# Altium PCB PCB.PcbDoc (part 1 of 4) (continued)
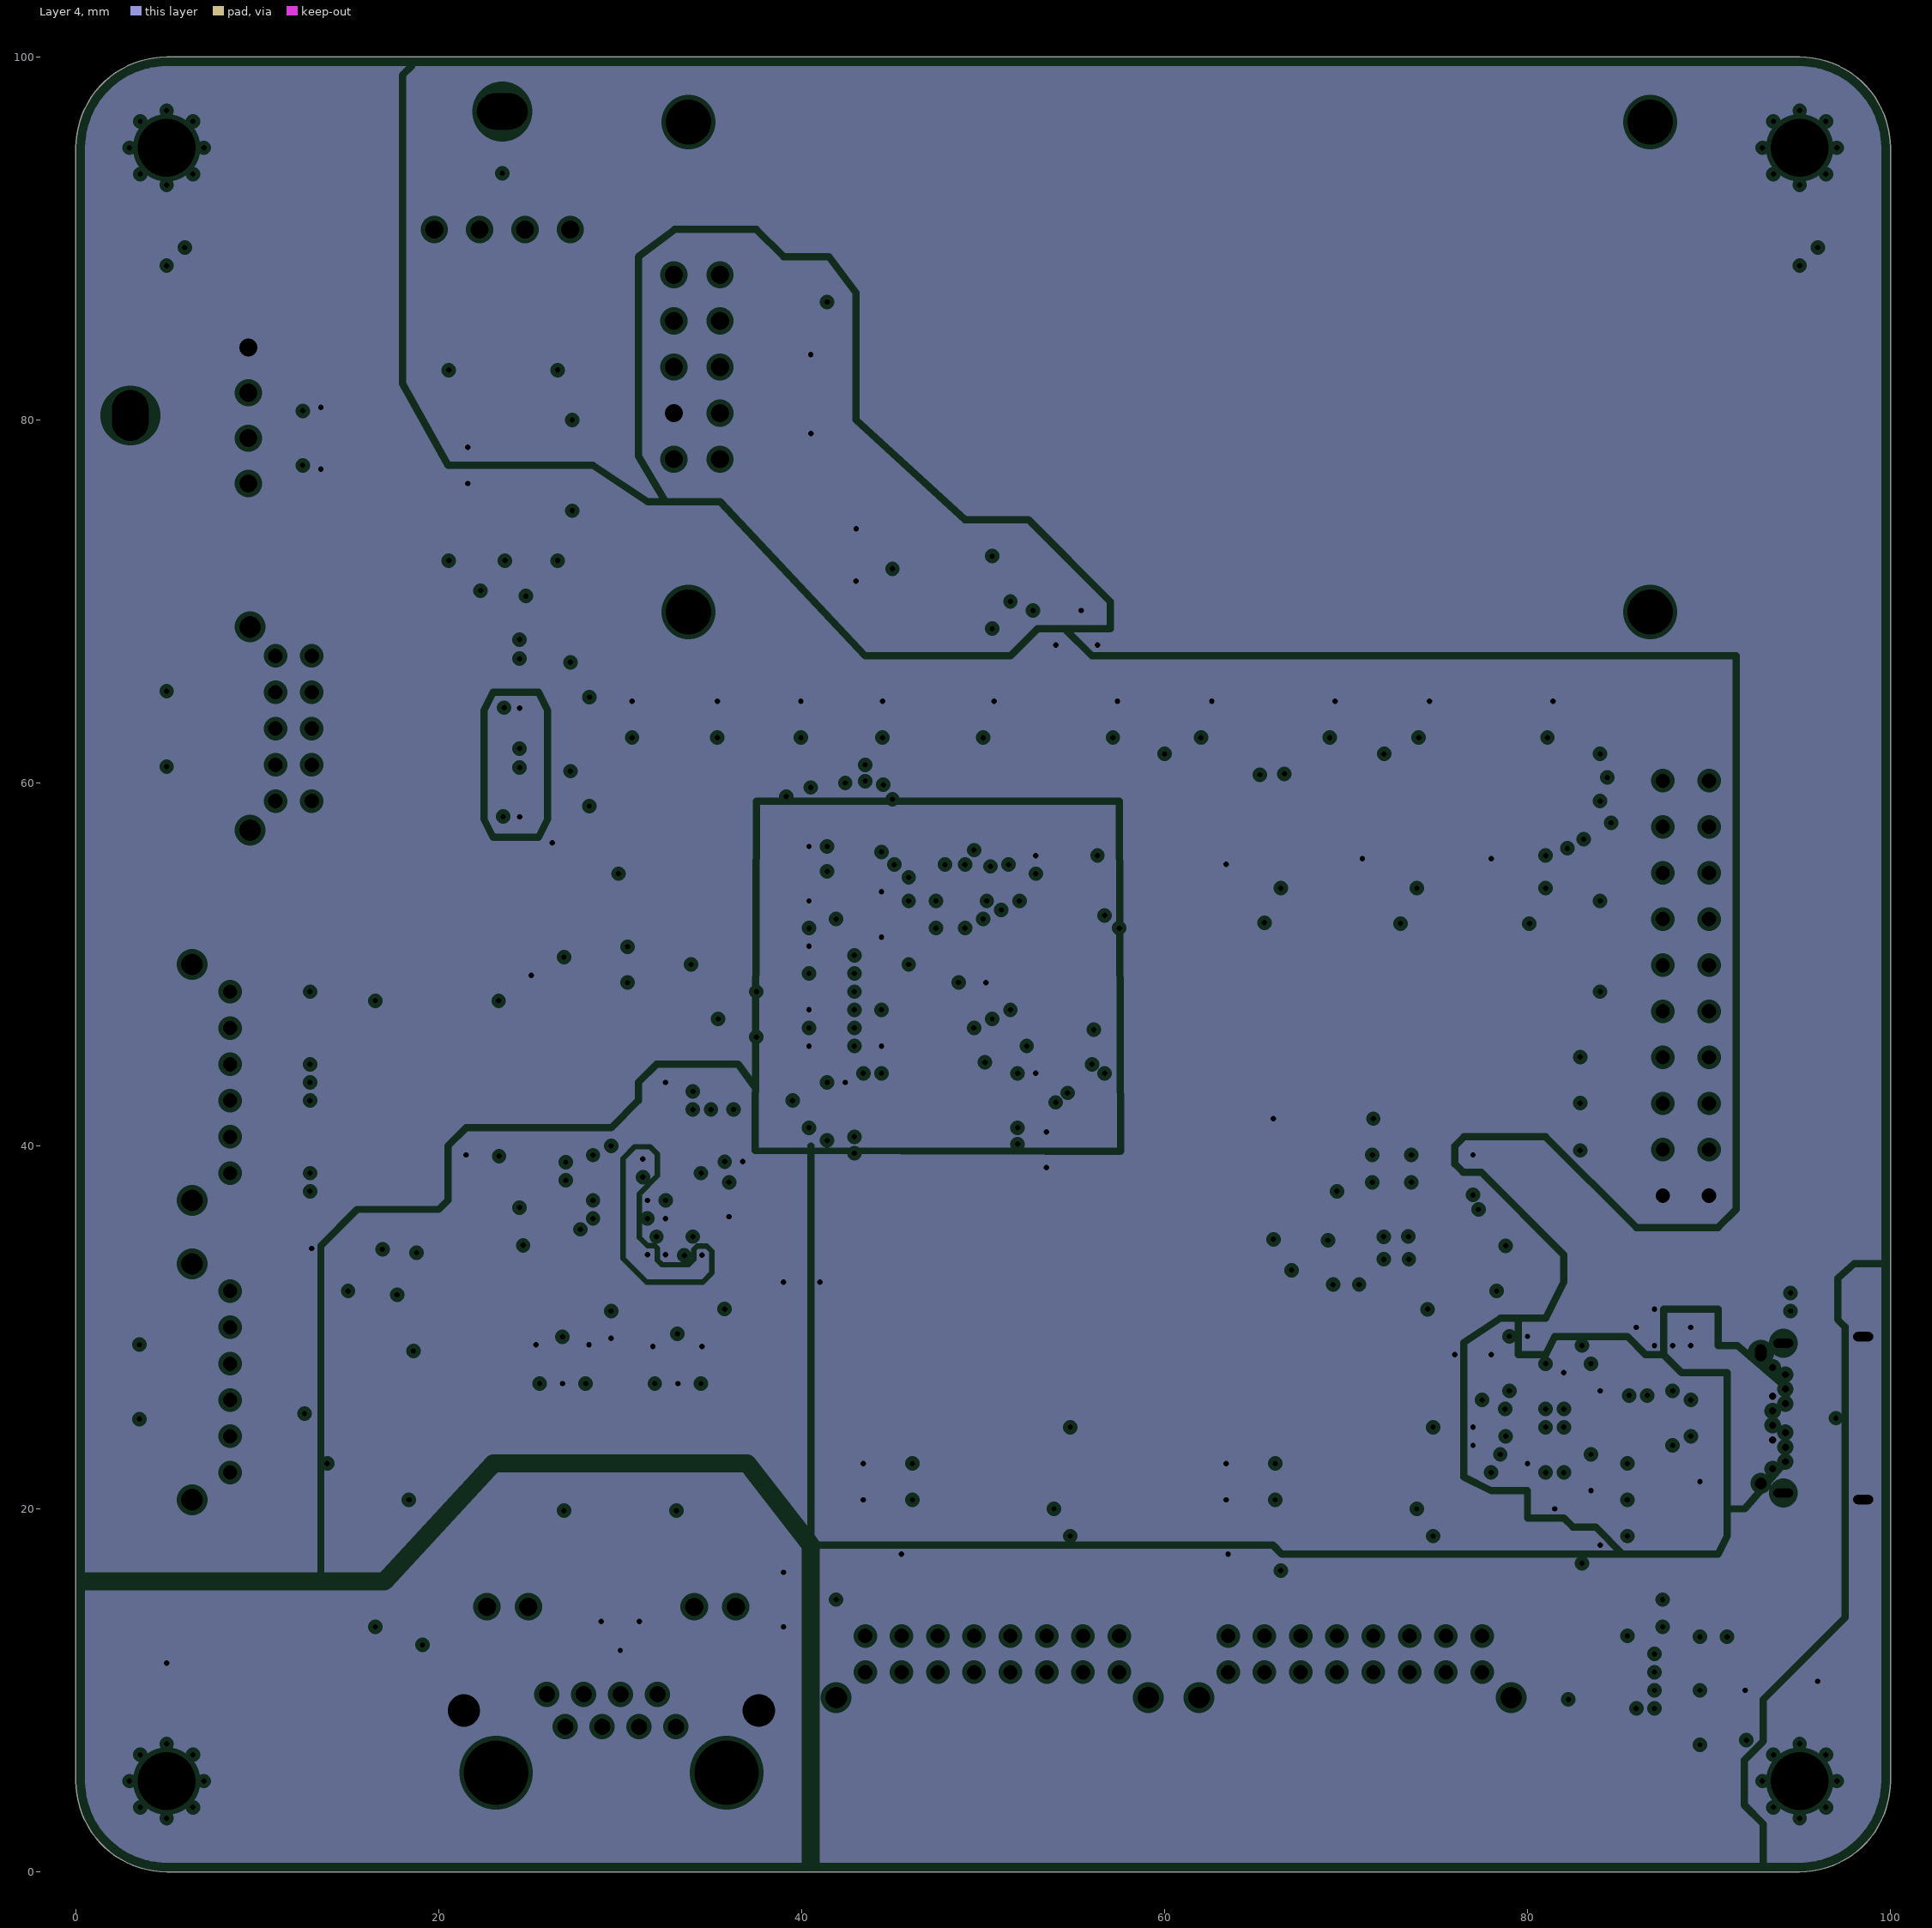
[diagram p4: Layer 4, clearances drawn from the general rule]
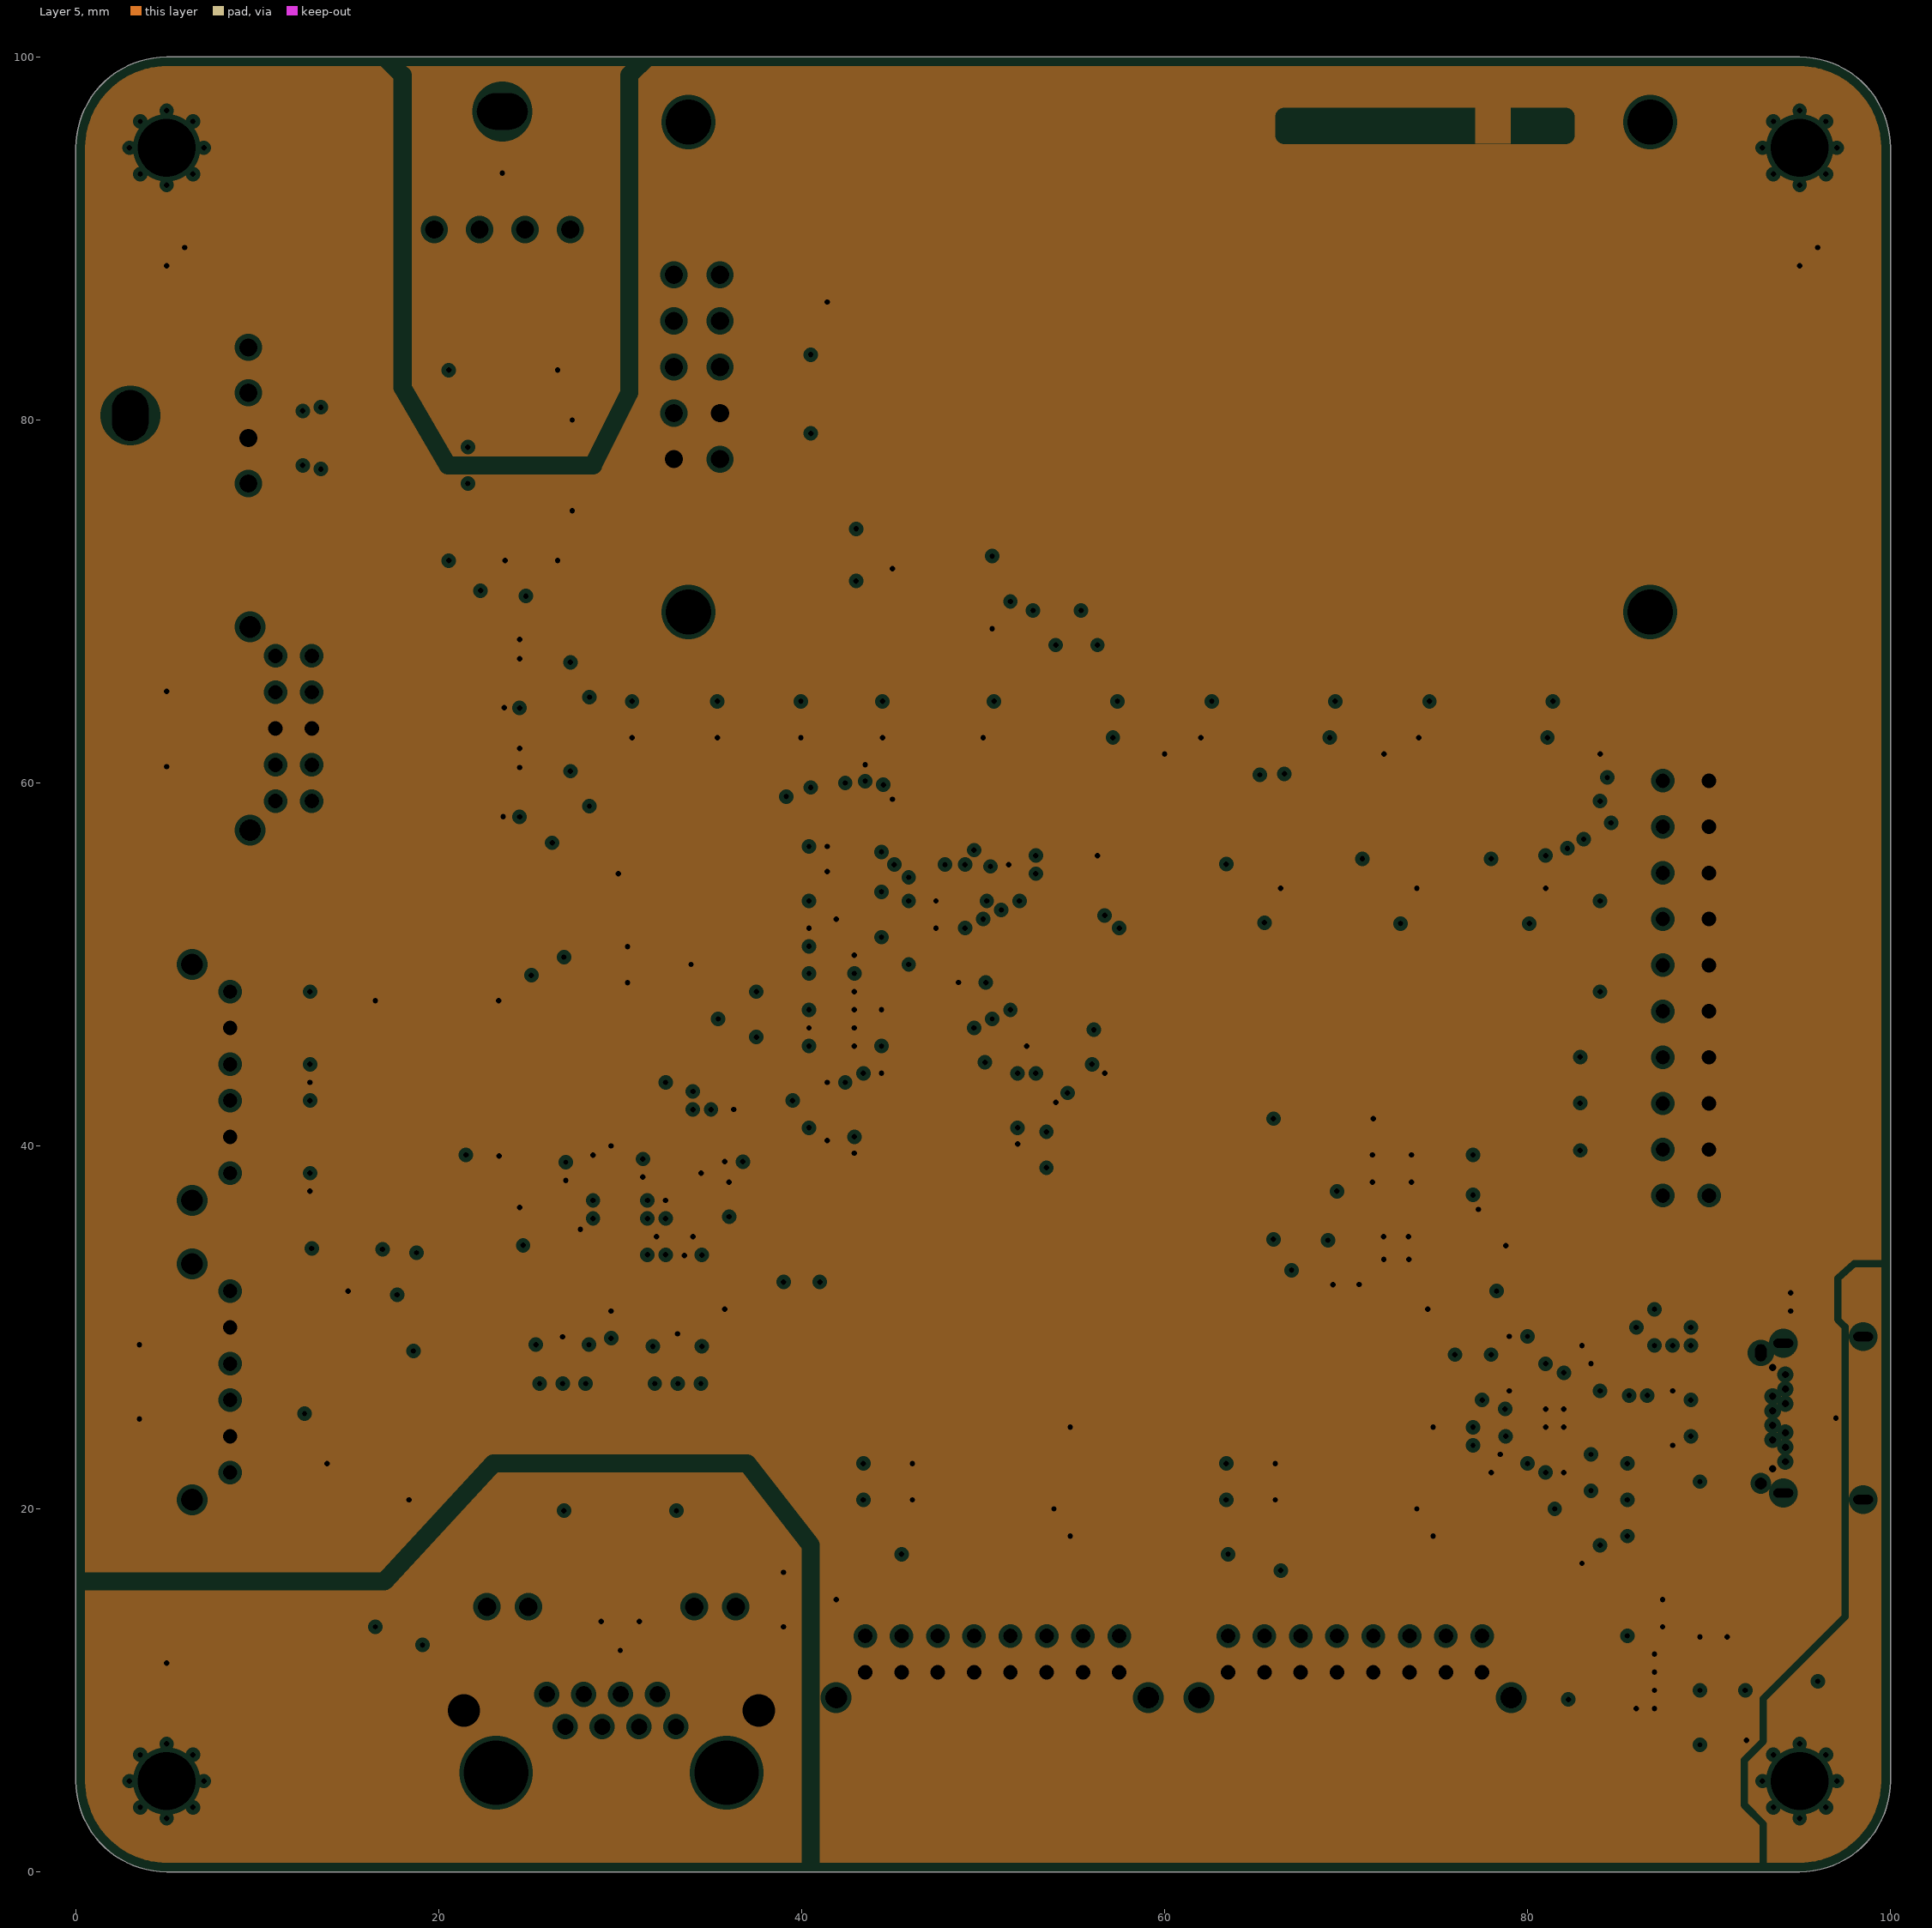
[diagram p5: Layer 5, clearances drawn from the general rule]

## Layer stack, top to bottom
Top Solder: solder mask 0.01, Solder Resist, Dk 3.5
Top Layer: signal copper 0.035
Dielectric 2: prepreg 0.0994, 3313*1, Dk 4.1
Layer 2: plane copper 0.0152, net (Multiple Nets)
Dielectric 4: core 0.55, Core, Dk 4.1
Layer 3: signal copper 0.0152
Dielectric 1: dielectric 0.1088, 2116*1, Dk 4.8
Layer 4: plane copper 0.0152, net (Multiple Nets)
Dielectric 5: core 0.55, Core, Dk 4.1
Layer 5: plane copper 0.0152, net (Multiple Nets)
Dielectric 3: prepreg 0.0994, 3313*1, Dk 4.1
Bottom Layer: signal copper 0.035
Bottom Solder: solder mask 0.01, Solder Resist, Dk 3.5

## Board outline
0,5 0,95 cw(c5,95) 5,100 95,100 cw(c95,95) 100,95 100,5 cw(c95,5) 95,0 5,0 cw(c5,5)

## Design rules (kind name [scope] priority, off if disabled: settings)
BoardOutlineClearance [Not OnLayer('Top Overlay')] p1: gap=0.3 ignorepadtopadclearanceinfootprint=FALSE
Clearance Clearance_1 [InNet('GND') vs (InNet('Gcan') or InNet('ChassisE') or InNet('ChassisU'))] p1: gap=0.2 ignorepadtopadclearanceinfootprint=FALSE except(0.127: SMDPad-SMDPad; 1: Poly-Poly)
Clearance [All] p2: gap=0.2 ignorepadtopadclearanceinfootprint=FALSE except(0.127: SMDPad-SMDPad)
DiffPairsRouting "USB 90 Ohm" [InDifferentialPairClass('USB_90')] p1: maxlimit=0.203 minlimit=0.203 mostfreqgap=0.203 toplayer_minwidth=0.158 toplayer_maxwidth=0.158 toplayer_prefwidth=0.158 midlayer1_minwidth=0.321 midlayer1_maxwidth=0.321 midlayer1_prefwidth=0.321 bottomlayer_minwidth=0.158 bottomlayer_maxwidth=0.158 bottomlayer_prefwidth=0.158 maxuncoupledlength=12.7
DiffPairsRouting "RS422 - CAN 90 Ohm" [InDifferentialPairClass('RS422_120') or InDifferentialPairClass('CAN_120')] p2: maxlimit=0.508 minlimit=0.508 mostfreqgap=0.508 toplayer_minwidth=0.096 toplayer_maxwidth=0.098 toplayer_prefwidth=0.097 midlayer1_minwidth=0.261 midlayer1_maxwidth=0.261 midlayer1_prefwidth=0.261 bottomlayer_minwidth=0.096 bottomlayer_maxwidth=0.098 bottomlayer_prefwidth=0.097 maxuncoupledlength=12.7
DiffPairsRouting "ETH 100 Ohm" [InDifferentialPairClass('ETH_100')] p3: maxlimit=0.508 minlimit=0.203 mostfreqgap=0.203 toplayer_minwidth=0.124 toplayer_maxwidth=0.124 toplayer_prefwidth=0.124 midlayer1_minwidth=0.232 midlayer1_maxwidth=0.232 midlayer1_prefwidth=0.232 bottomlayer_minwidth=0.124 bottomlayer_maxwidth=0.124 bottomlayer_prefwidth=0.124 maxuncoupledlength=12.7
HoleSize "Mounting Hole" [HasFootprint ('Mounting Hole - Hole-3.2mm, Pad-5mm')] p1: absolutevalues=TRUE maxlimit=5 minlimit=0.29 maxpercent=80.000 minpercent=20.000
HoleSize "USB Conn" [HasFootprint ('GCT, USB4056')] p2: absolutevalues=TRUE maxlimit=5 minlimit=0.39 maxpercent=80.000 minpercent=20.000
HoleSize NonViaHoleSize [Not IsVia] p3: absolutevalues=TRUE maxlimit=5 minlimit=0.5 maxpercent=80.000 minpercent=20.000
HoleSize ViaHoleSize [All] p4: absolutevalues=TRUE maxlimit=5 minlimit=0.3 maxpercent=80.000 minpercent=20.000
HoleToHoleClearance "Mounting Hole (Clearance)" [HasFootprint ('Mounting Hole - Hole-3.2mm, Pad-5mm') vs HasFootprint ('Mounting Hole - Hole-3.2mm, Pad-5mm')] p1: gap=0.29 allowstackedmicrovias=TRUE
HoleToHoleClearance "USB Conn (Clearance)" [HasFootprint ('GCT, USB4056') vs HasFootprint ('GCT, USB4056')] p2: gap=0.39 allowstackedmicrovias=TRUE
HoleToHoleClearance [All] p3: gap=0.5 allowstackedmicrovias=TRUE
MatchedLengths LM-ETH_P [InNetClass('ETH_P')] p1: tolerance=1 checknetsindiffpair=FALSE checkdiffpairvsdiffpair=TRUE checkxsignals=TRUE checkothers=TRUE
MatchedLengths LM-ETH_C [InNetClass('ETH_C')] p2: tolerance=1 checknetsindiffpair=FALSE checkdiffpairvsdiffpair=TRUE checkxsignals=TRUE checkothers=TRUE
MatchedLengths LM-ETH_P-DP [InNetClass('ETH_P')] p3: tolerance=1 checknetsindiffpair=TRUE checkdiffpairvsdiffpair=FALSE checkxsignals=FALSE checkothers=FALSE
MatchedLengths LM-ETH_C-DP [InNetClass('ETH_C')] p4: tolerance=1 checknetsindiffpair=TRUE checkdiffpairvsdiffpair=FALSE checkxsignals=FALSE checkothers=FALSE
MatchedLengths SPI-LM [InxSignalClass('xSPI')] p5: tolerance=1 checknetsindiffpair=FALSE checkdiffpairvsdiffpair=TRUE checkxsignals=TRUE checkothers=TRUE
MinimumAnnularRing [All] p1: minimumring=0.05
MinimumSolderMaskSliver "IC - Power - DC-DC" [HasFootprint ('DFN-8, 2mm x 2mm, 0,5mm') vs HasFootprint ('DFN-8, 2mm x 2mm, 0,5mm')] p1: minsoldermaskwidth=0.01
PlaneClearance [All] p1: clearance=0.25
PlaneConnect [All] p1: planeconnectstyle=Direct reliefexpansion=0.508 reliefentries=4 reliefconductorwidth=0.254 reliefairgap=0.254
PolygonConnect [All] p1: thpad.connectstyle=Relief thpad.reliefconductorwidth=0.254 thpad.reliefentries=4 thpad.polygonreliefangle="90 Angle" thpad.airgapwidth=0.25 smdpad.connectstyle=Relief smdpad.reliefconductorwidth=0.254 smdpad.reliefentries=4 smdpad.polygonreliefangle="90 Angle" smdpad.airgapwidth=0.25 via.connectstyle=Direct via.reliefconductorwidth=0.254 via.reliefentries=4 via.polygonreliefangle="90 Angle" via.airgapwidth=0.25
RoomDefinition Bt1 [InComponentClass('Bt1')] p1: confinementstyle=ConfineIn formatcopy=TRUE lockcomponents=FALSE outline 72.5,59 84.5,59 84.5,66.5 72.5,66.5
RoomDefinition Bt2 [InComponentClass('Bt2')] p2: confinementstyle=ConfineIn formatcopy=TRUE lockcomponents=FALSE outline 60.5,59 72.467,59 72.467,66.5 60.5,66.5
RoomDefinition Bt3 [InComponentClass('Bt3')] p3: confinementstyle=ConfineIn formatcopy=TRUE lockcomponents=FALSE outline 48.5,59 60.351,59 60.351,66.5 48.5,66.5
RoomDefinition Sw3 [InComponentClass('Sw3')] p4: confinementstyle=ConfineIn formatcopy=TRUE lockcomponents=FALSE outline 75.1,46.2 82,46.2 82,57.3 75.1,57.3
RoomDefinition Sw2 [InComponentClass('Sw2')] p5: confinementstyle=ConfineIn formatcopy=TRUE lockcomponents=FALSE outline 68,46.2 74.9,46.2 74.9,57.3 68,57.3
RoomDefinition LdY [InComponentClass('LdY')] p6: confinementstyle=ConfineIn formatcopy=TRUE lockcomponents=FALSE outline 34.35,62 37.35,62 37.35,65 34.35,65
RoomDefinition LdG [InComponentClass('LdG')] p7: confinementstyle=ConfineIn formatcopy=TRUE lockcomponents=FALSE outline 29.65,62 32.65,62 32.65,65 29.65,65
RoomDefinition LdO [InComponentClass('LdO')] p8: confinementstyle=ConfineIn formatcopy=TRUE lockcomponents=FALSE outline 38.95,62 41.95,62 41.95,65 38.95,65
RoomDefinition LdR [InComponentClass('LdR')] p9: confinementstyle=ConfineIn formatcopy=TRUE lockcomponents=FALSE outline 43.45,62 46.45,62 46.45,65 43.45,65
RoomDefinition Sw1 [InComponentClass('Sw1')] p10: confinementstyle=ConfineIn formatcopy=TRUE lockcomponents=FALSE outline 60.5,46.2 67.4,46.2 67.4,57.3 60.5,57.3
RoutingVias [All] p1: holewidth=0.711 width=1.27 viastyle="Through Hole" minholewidth=0.711 minwidth=1.27 maxholewidth=0.711 maxwidth=1.27
SilkToSilkClearance [All] p1: silktosilkclearance=0.05
SilkToSolderMaskClearance [IsPad And (Not HasFootprint('Resistor_SMD_M1005_I0402'))] p1: minsilkscreentomaskgap=0.15 clearancetoexposedcopper=TRUE
SolderMaskExpansion [All] p1: expansion=0.05 istentingtop=FALSE
SupplyNets "Schematic Supply Nets" [InNet('+3V3_FTDI')] p1: voltage=0.000
SupplyNets "Schematic Supply Nets_20" [InNet('+5V_AP')] p2: voltage=0.000
SupplyNets "Schematic Supply Nets_19" [InNet('+3V3_ETH')] p3: voltage=0.000
SupplyNets "Schematic Supply Nets_18" [InNet('+3V3_RT')] p4: voltage=0.000
SupplyNets "Schematic Supply Nets_17" [InNet('ChassisU')] p5: voltage=0.000
SupplyNets "Schematic Supply Nets_16" [InNet('+3V3')] p6: voltage=0.000
SupplyNets "Schematic Supply Nets_15" [InNet('+5V_RT')] p7: voltage=0.000
SupplyNets "Schematic Supply Nets_14" [InNet('+5V')] p8: voltage=0.000
SupplyNets "Schematic Supply Nets_13" [InNet('GND')] p9: voltage=0.000
SupplyNets "Schematic Supply Nets_12" [InNet('Vcan')] p10: voltage=0.000
SupplyNets "Schematic Supply Nets_11" [InNet('VCC_422')] p11: voltage=0.000
SupplyNets "Schematic Supply Nets_10" [InNet('ChassisE')] p12: voltage=0.000
SupplyNets "Schematic Supply Nets_9" [InNet('+5V_LCD')] p13: voltage=0.000
SupplyNets "Schematic Supply Nets_8" [InNet('Gcan')] p14: voltage=0.000
SupplyNets "Schematic Supply Nets_5" [InNet('+3V3_AP')] p15: voltage=0.000
SupplyNets "Schematic Supply Nets_4" [InNet('VBus')] p16: voltage=0.000
SupplyNets "Schematic Supply Nets_3" [InNet('VDD')] p17: voltage=0.000
SupplyNets "Schematic Supply Nets_2" [InNet('+3V3_LCD')] p18: voltage=0.000
Width [All] p1: maxlimit=10 minlimit=0.089 preferedwidth=0.2 minimp=50.000000 maximp=50.000000 favimp=50.000000
22 further rules are at their usual default settings.

## Classes and differential pairs
net class ETH_P: RXP_N RXP_P TXP_N TXP_P
net class ETH_C: RXC_N RXC_P TXC_N TXC_P
differential pair class USB_90: U Usb
differential pair class RS422_120: AB CTS RTS YZ
differential pair class ETH_100: RXC RXP TXC TXP
differential pair class CAN_120: CAN
channel class Switch: Sw1 Sw2 Sw3
channel class "Led Driver": LdG LdO LdR LdY
channel class Button: Bt1 Bt2 Bt3
net class PE[0..15]: PE0 PE1 PE2 PE3 PE4 PE5 PE6 PE7 PE8 PE9 PE10 PE11 PE12 PE13 PE14 PE15
net class PD[0..15]: PD0 PD1 PD2 PD3 PD4 PD5 PD6 PD7 PD8 PD9 PD10 PD11 PD12 PD13 PD14 PD15
net class PC[0..15]: PC0 PC1 PC2 PC3 PC4 PC5 PC6 PC7 PC8 PC9 PC10 PC11 PC12 PC13 PC14 PC15
net class PB[0..15]: PB0 PB1 PB2 PB3 PB4 PB5 PB6 PB7 PB8 PB9 PB10 PB11 PB12 PB13 PB14 PB15
net class PA[0..15]: PA0 PA1 PA2 PA3 PA4 PA5 PA6 PA7 PA8 PA9 PA10 PA11 PA12 PA13 PA14 PA15
component class Sw3: C40_Sw3 R40_Sw3 R41_Sw3 Sw40_Sw3
component class Sw2: C40_Sw2 R40_Sw2 R41_Sw2 Sw40_Sw2
component class Sw1: C40_Sw1 R40_Sw1 R41_Sw1 Sw40_Sw1
component class RS422: C640 C641 Conn640 IC640 IC641 R640 R641 R642 R643 R644 R645 R646 R647 R648 R649 R650 R651 R652 R653 R654 R655 R656 R657 R658 TVS640 TVS641 TVS642 TVS643
component class RS232: C620 C621 C622 C623 C624 Conn620 IC620 R620 R621 R622 TVS620 TVS621
component class POWER: C100 C101 C102 C103 C104 C105 C106 C107 C108 C109 C110 C111 C112 D100 D101 D102 D103 IC100 IC101 L100 L101 R100 R101 R102 R103 R104 R105 R106 R107 R108 R109 R110 R111 R112 R113 R114 R115
component class MICROCONTROLLER: C700 C701 C702 C703 C704 C705 C706 C707 C708 C709 C710 C711 C712 C713 C714 C715 C716 C717 C718 Conn700 IC700 R700 R701 R702 R703 R704 R705 R706 R707 R708 R709 R710 R711 R712 R713 R714 R715 R716 Sw700 Xtal700 Xtal701
component class Mechanical: Fid1 Fid2 Fid3 Housing300 Housing301 Housing302 Housing303 Housing304 Housing305 Housing306 MHBL MHBR MHTL MHTR Pin300 Pin301 Pin302 Pin303 Pin304 Pin305 Pin306 Pin307 Pin308 Pin309 Pin310 Pin311 Pin312 Pin313 Pin314 Pin315 Pin316 Pin317 Pin318 Pin319 Pin320 Pin321 Pin322 Pin323 Pin324 Pin325 Pin326 Pin327 Pin328 Pin329 Pin330 Pin331 Pin332 Pin333 Pin334 Pin335 Pin336 Pin337 Pin338 Pin339 Pin340 Pin341 Pin342 Pin343 Pin344 Pin345 Pin346 Pin347 Pin348 Pin349 Pin350 Pin351 Pin352 Pin353 Pin354 Pin355 Pin356 Pin357 Pin358 Pin359 Pin360 Pin361 R300 R301 R302 R303
component class LdY: Q80_LdY R80_LdY R81_LdY
component class LdR: Q80_LdR R80_LdR R81_LdR
component class LdO: Q80_LdO R80_LdO R81_LdO
component class LdG: Q80_LdG R80_LdG R81_LdG
component class LCD: C660 C661 IC660 IC661 R660 R661 R662 R663 R664 R665 R666 R667 R668 R669 R670
component class I2C-SPI: Conn140 Conn141 R140 R141 R142 R143 R144 R145
component class GPIO: C200 C201 C202 C203 Conn200 Conn201 D200 D201 D202 D203 IC200 IC201 R200 R201 R202 R203 R204 R205
component class FTDI: C662 C663 C664 C665 C667 C668 C669 Conn660 D660 D661 D662 D663 IC662 R671 R672 R673 R674 R675 R676 R677 R678 R679 R680 R681 R682 R683
component class ETHERNET: C740 C741 C742 C743 C744 C745 C746 C747 C748 C749 C750 C751 C752 C753 C754 Conn740 D740 IC740 IC741 R740 R741 R742 R743 R744 R745 R746 R747 R751 R752 R753 R754 R755 R756 R757 R758 R759 TR740
component class CAN: C600 C601 C602 Conn600 D600 IC600 R600 R601 R602 R603 R604 R605 R606
component class Bt3: C60_Bt3 R60_Bt3 R61_Bt3 Sw60_Bt3
component class Bt2: C60_Bt2 R60_Bt2 R61_Bt2 Sw60_Bt2
component class Bt1: C60_Bt1 R60_Bt1 R61_Bt1 Sw60_Bt1
differential pair YZ: +YZ_P -YZ_N
differential pair U: +U_P -U_N
differential pair Usb: +Usb_P -Usb_N
differential pair TXP: +TXP_P -TXP_N
differential pair TXC: +TXC_P -TXC_N
differential pair RXP: +RXP_P -RXP_N
differential pair RXC: +RXC_P -RXC_N
differential pair RTS: +RTS_P -RTS_N
differential pair CTS: +CTS_P -CTS_N
differential pair CAN: +CAN_P -CAN_N
differential pair AB: +AB_P -AB_N

## Components (designator, comment, footprint, x,y, rotation, side; value= is the part's Value field where it differs from the comment)
C40_Sw1 "Capacitor_Seramic" Capacitor_Seramic_M1005_I0402 66.4,52.8 r270 top value=100nF (schematic designator C40)
C40_Sw2 "Capacitor_Seramic" Capacitor_Seramic_M1005_I0402 73.9,52.75 r270 top value=100nF (schematic designator C40)
C40_Sw3 "Capacitor_Seramic" Capacitor_Seramic_M1005_I0402 81,52.75 r270 top value=100nF (schematic designator C40)
C60_Bt1 "Capacitor_Seramic" Capacitor_Seramic_M1005_I0402 83.5,62.5 r180 top value=100nF (schematic designator C60)
C60_Bt2 "Capacitor_Seramic" Capacitor_Seramic_M1005_I0402 71.6,62.5 r180 top value=100nF (schematic designator C60)
C60_Bt3 "Capacitor_Seramic" Capacitor_Seramic_M1005_I0402 59.5,62.5 r180 top value=100nF (schematic designator C60)
C100 "Capacitor_Seramic" Capacitor_Seramic_M1005_I0402 67.5,35 r180 top value=100nF
C101 "Capacitor_Seramic" Capacitor_Seramic_M2012_I0805 74.55,38 r180 top value=22uF
C102 "Capacitor_Seramic" Capacitor_Seramic_M2012_I0805 74.55,39.5 r180 top value=22uF
C103 "Capacitor_Seramic" Capacitor_Seramic_M1005_I0402 77.8,32.5 r180 top value=22pF
C104 "Capacitor_Seramic" Capacitor_Seramic_M2012_I0805 70.5,39.5 r0 top value=22uF
C105 "Capacitor_Seramic" Capacitor_Seramic_M2012_I0805 70.5,38 r0 top value=22uF
C106 "Capacitor_Seramic" Capacitor_Seramic_M1005_I0402 77.8,34.5 r0 top value=22pF
C107 "Capacitor_Seramic" Capacitor_Seramic_M1005_I0402 79.3,34 r90 top value=2.7nF
C108 "Capacitor_Seramic" Capacitor_Seramic_M2012_I0805 89.5,12 r90 top value=22uF
C109 "Capacitor_Seramic" Capacitor_Seramic_M2012_I0805 91,12 r90 top value=22uF
C110 "Capacitor_Seramic" Capacitor_Seramic_M2012_I0805 86.5,15 r0 top value=22uF
C111 "Capacitor_Seramic" Capacitor_Seramic_M2012_I0805 86.5,13.5 r0 top value=22uF
C112 "Capacitor_Seramic" Capacitor_Seramic_M1005_I0402 90,7.5 r90 top value=22pF
C200 "Capacitor_Seramic" Capacitor_Seramic_M1005_I0402 65.4,23 r90 top value=100nF
C201 "Capacitor_Seramic" Capacitor_Seramic_M1005_I0402 65.4,20 r270 top value=100nF
C202 "Capacitor_Seramic" Capacitor_Seramic_M1005_I0402 45.4,23 r90 top value=100nF
C203 "Capacitor_Seramic" Capacitor_Seramic_M1005_I0402 45.4,20 r270 top value=100nF
C600 "Capacitor_Seramic" Capacitor_Seramic_M1005_I0402 22.1,72.25 r180 bottom value="0.1 µF"
C601 "Capacitor_Seramic" Capacitor_Seramic_M1005_I0402 22.1,82.75 r180 bottom value="0.1 µF"
C602 "Capacitor_Seramic" Capacitor_Seramic_M1005_I0402 23.5,94.564 r90 bottom value="0.1 µF"
C620 "Capacitor_Seramic" Capacitor_Seramic_M1005_I0402 14.35,22.5 r0 top value=100nF
C621 "Capacitor_Seramic" Capacitor_Seramic_M1005_I0402 14.5,32.5 r180 top value=100nF
C622 "Capacitor_Seramic" Capacitor_Seramic_M1005_I0402 18.35,21.5 r90 top value=100nF
C623 "Capacitor_Seramic" Capacitor_Seramic_M1005_I0402 14.35,21.5 r180 top value=100nF
C624 "Capacitor_Seramic" Capacitor_Seramic_M1005_I0402 16.85,22.4 r180 top value=100nF
C640 "Capacitor_Seramic" Capacitor_Seramic_M1005_I0402 24.45,65.5 r270 bottom value=100nF
C641 "Capacitor_Seramic" Capacitor_Seramic_M1005_I0402 24.45,59.5 r270 bottom value=100nF
C660 "Capacitor_Seramic" Capacitor_Seramic_M1005_I0402 43.5,71.8 r180 top value=100nF
C661 "Capacitor_Seramic" Capacitor_Seramic_M1005_I0402 51.5,69 r90 top value=100nF
C662 "Capacitor_Seramic" Capacitor_Seramic_M1005_I0402 79.5,22 r0 top value=100nF
C663 "Capacitor_Seramic" Capacitor_Seramic_M1005_I0402 82,28.5 r270 top value=100nF
C664 "Capacitor_Seramic" Capacitor_Seramic_M1005_I0402 84.5,27.5 r270 top value=100nF
C665 "Capacitor_Seramic" Capacitor_Seramic_M1608_I0603 77,21.85 r270 top value=4.7uF
C667 "Capacitor_Seramic" Capacitor_Seramic_M1005_I0402 88.5,23.5 r180 top value=22pF
C668 "Capacitor_Seramic" Capacitor_Seramic_M1005_I0402 88.5,26.5 r180 top value=22pF
C669 "Capacitor_Seramic" Capacitor_Seramic_M3216_I1206 97.035,31.29 r180 bottom value=1nF
C700 "Capacitor_Seramic" Capacitor_Seramic_M1005_I0402 41.9,50.5 r180 bottom value=100nF
C701 "Capacitor_Seramic" Capacitor_Seramic_M1005_I0402 29.9,54 r90 top value=22pF
C702 "Capacitor_Seramic" Capacitor_Seramic_M1005_I0402 29.9,56 r270 top value=22pF